# Altium PCB GEM_AFE_128.PcbDoc (part 15 of 18) (continued)
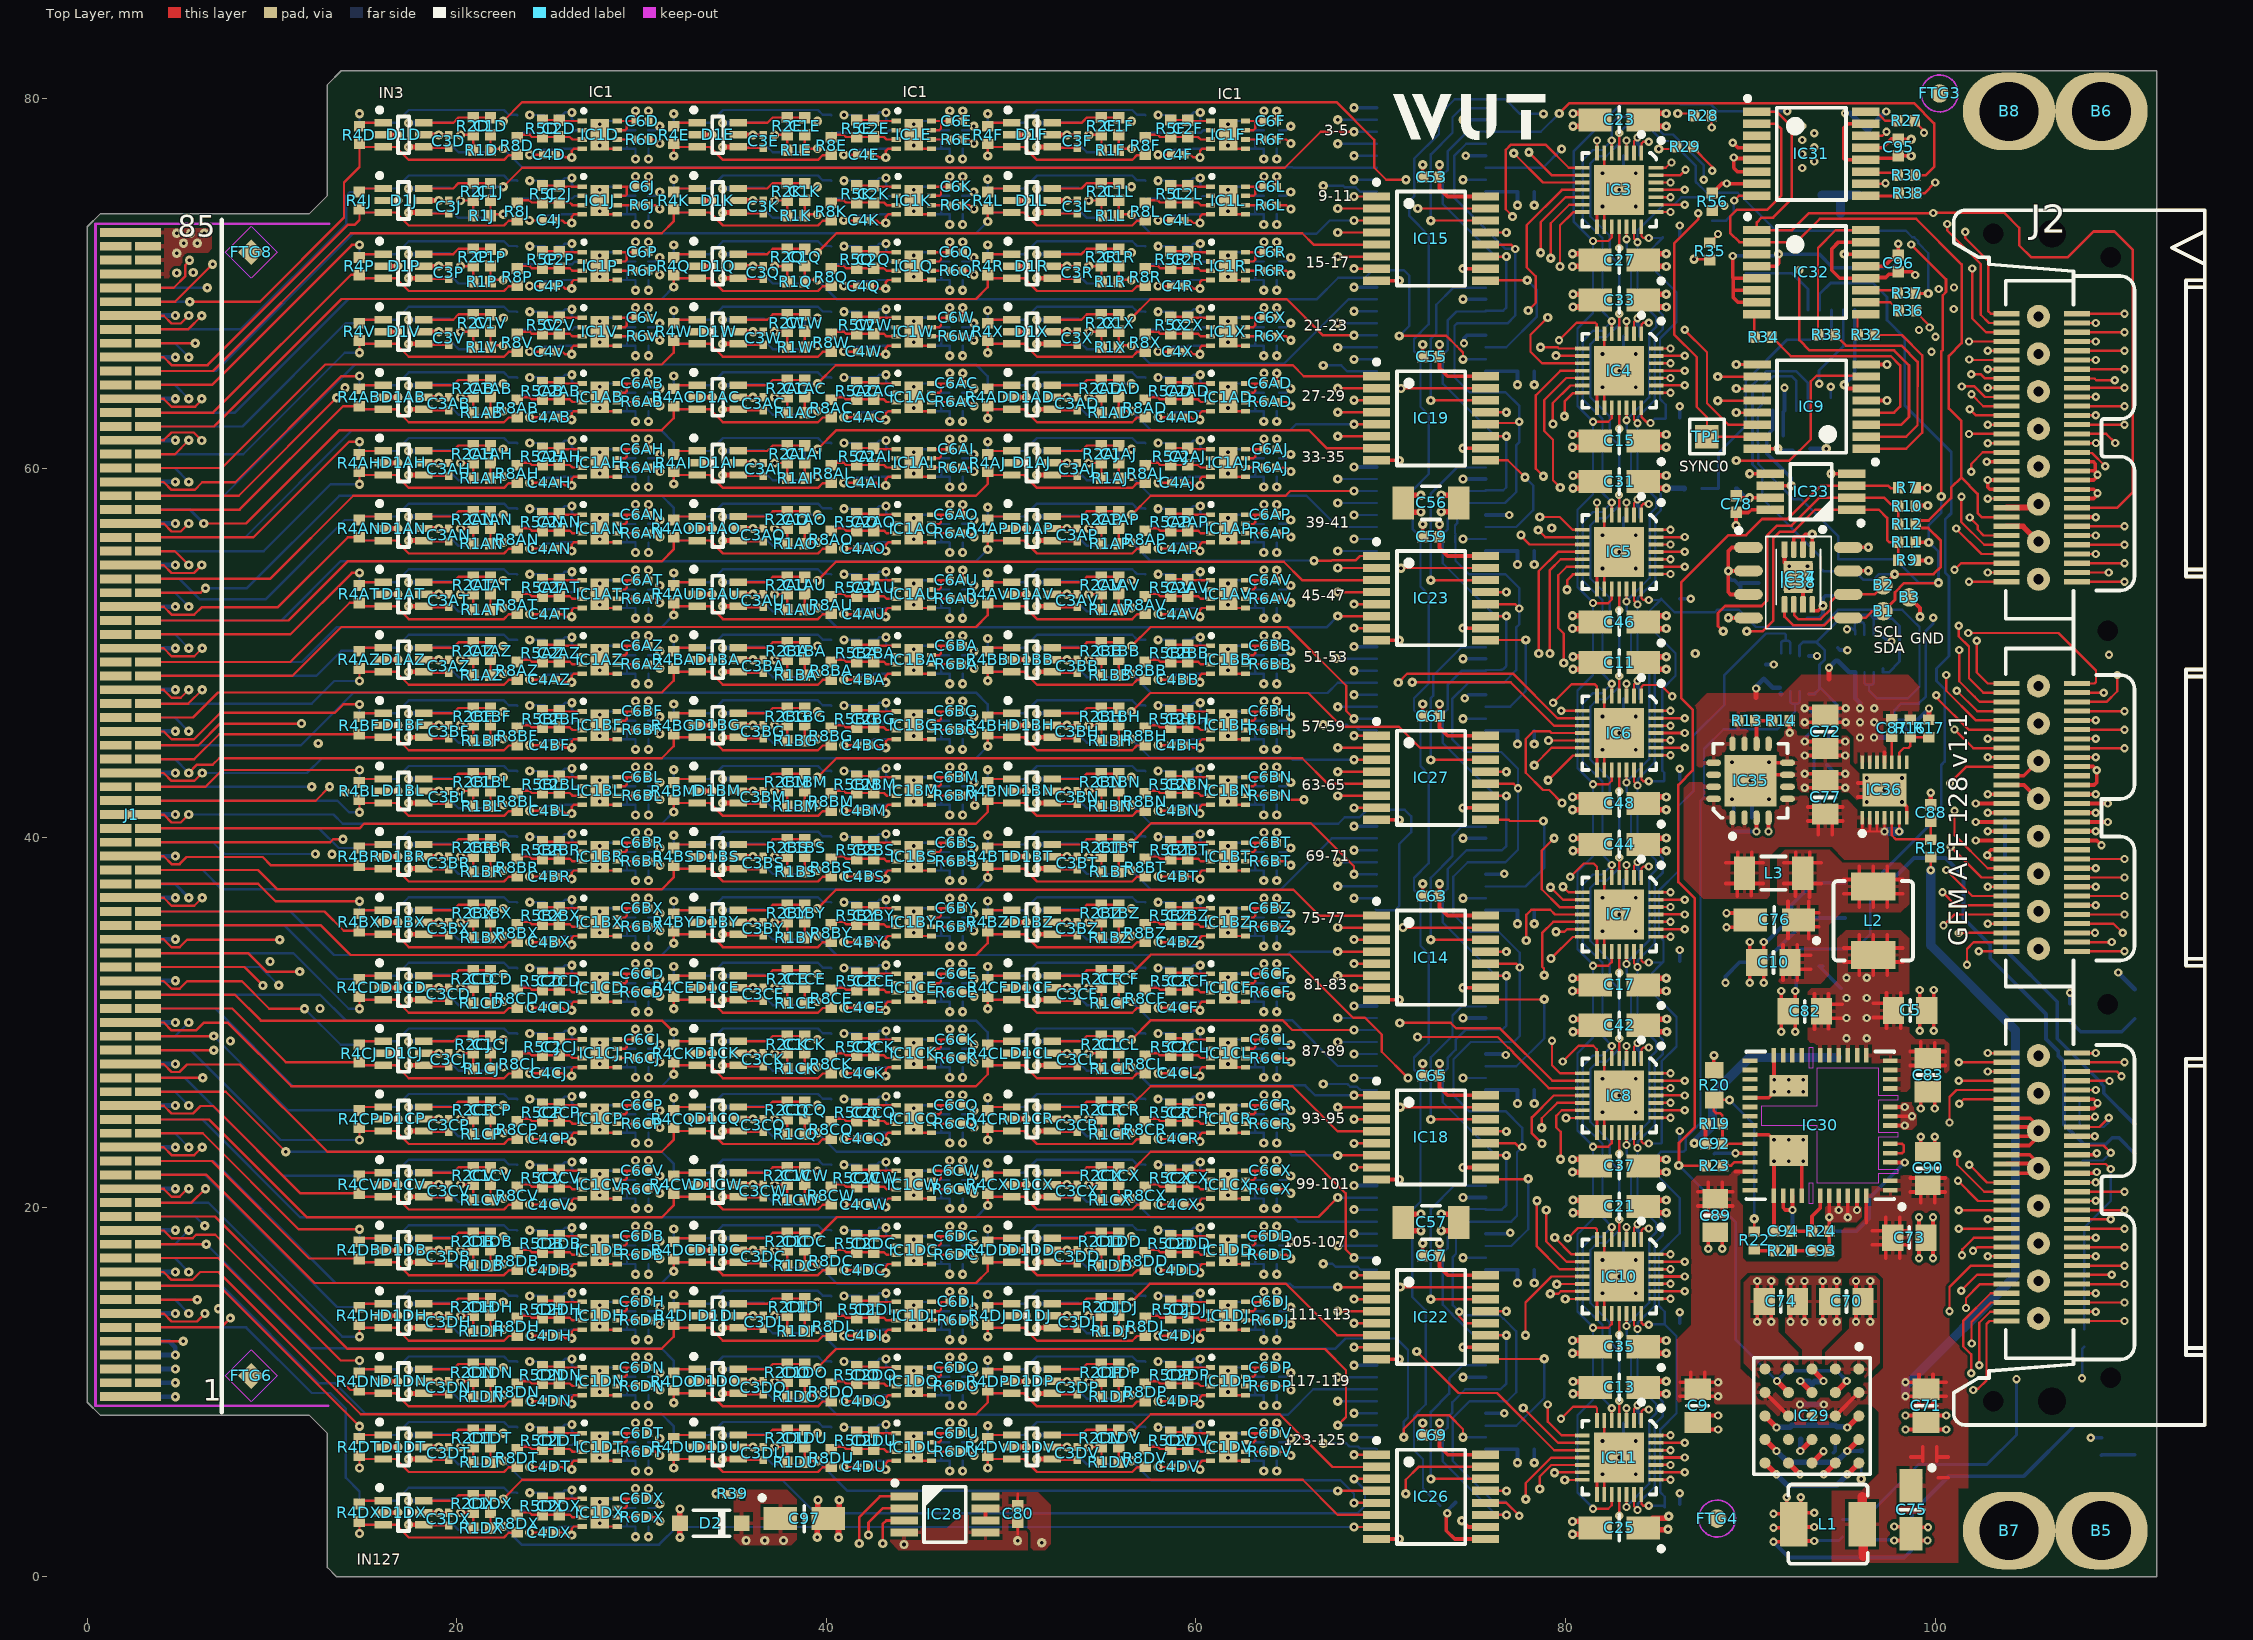
[diagram p0: Top Layer view]
## Nets (pads, with @x,y where several pads share a name; then routed paths per layer and width w, separated by ;. In a path a pad name is that pad's centre, name@x,y a point inside that pad or via, vN(x,y) a via of type N, cw(c..) or ccw(c..) an arc to the next point about the centre after c; other vN are vias at no path point) (continued)
  L2 w0.127: v2(100.017,67.099) 100.017,67.06 101.619,65.458 102.114,65.458 102.23,65.343 v2(102.838,65.343)
  Bottom Layer w0.127: R6M.2@30.356,71.176 30.732,71.176 30.944,71.389 v1(30.982,71.389)
OUTP13: J2.14 R6N.2 | length 72.4
  Top Layer w0.127: J2.14@107.671,65.347 v2(110.25,65.347)
  L4 w0.127: v1(47.982,71.389) 48.989,71.389 49.909,72.309 56.691,72.309 57.525,71.475 60.224,71.475 61.064,72.316 62.415,72.316 63.056,71.675 64.55,71.675 64.784,71.909 67.966,71.909 68.225,71.65 75.679,71.65 76.532,70.797 77.197,70.797 77.521,70.797 78.129,71.405 78.129,71.729 78.465,72.065 80.491,72.065 81.556,71 84.264,71 85.275,72.011 85.64,72.011 87.501,70.15 88.15,70.15 89,69.3 90.997,69.3 91.897,68.4 98.497,68.4 98.998,67.899 99.444,67.899 99.537,67.992 99.86,67.992 99.953,67.899 100.14,67.899 100.488,67.551 104.449,67.551 104.7,67.3 106.5,67.3 106.95,66.85 106.95,66.2 107.993,65.157 109.157,65.157 109.347,65.347 v2(110.25,65.347)
  Bottom Layer w0.127: R6N.2@47.356,71.176 47.732,71.176 47.944,71.389 v1(47.982,71.389)
OUTP14: J2.15 R6O.2 | length 42.7
  Top Layer w0.127: v2(101.953,65.068) 102.482,65.068 102.701,64.849 J2.15@103.863,64.849
  L4 w0.127: v1(65.132,71.389) 66.986,71.389 67.4,70.975 67.875,70.975 68.125,71.225 75.631,71.225 76.282,70.574 76.432,70.574 76.437,70.569 77.16,70.569 77.292,70.569 77.615,70.569 77.62,70.574 78.176,70.574 78.356,70.394 80.972,70.394 81.216,70.15 84.55,70.15 84.874,70.474 85.892,70.474 86.666,69.7 88.016,69.7 88.816,68.9 90.831,68.9 91.731,68 98.331,68 98.858,67.474 v2(99.121,67.474)
  L2 w0.127: v2(99.121,67.474) 99.121,67.429 99.867,66.683 99.962,66.683 100.044,66.6 100.05,66.6 101.45,65.2 101.734,65.2 101.865,65.068 v2(101.953,65.068)
  Bottom Layer w0.127: R6O.2@64.506,71.176 64.882,71.176 65.094,71.389 v1(65.132,71.389)
OUTP15: J2.16 R6P.2 | length 89.2
  Top Layer w0.127: R6P.2@30.361,70.674 30.736,70.674 30.949,70.461 v1(30.987,70.461) ; J2.16@107.671,64.847 108.625,64.847 108.72,64.752 109.713,64.752 v2(109.716,64.748)
  L4 w0.127: v1(30.987,70.461) 32.731,70.461 33.392,69.8 37.75,69.8 38.575,70.625 43.225,70.625 44.05,69.8 45.45,69.8 45.9,70.25 47.4,70.25 48.5,69.15 67.6,69.15 67.856,68.894 68.722,68.894 68.91,68.705 76.595,68.705 77.2,68.1 78.2,68.1 78.656,68.556 79.244,68.556 79.8,68 81.95,68 82.688,68.738 84.212,68.738 84.918,68.032 85.982,68.032 86.15,68.2 87.25,68.2 88.243,67.207 90.165,67.207 90.974,66.399 97.746,66.399 98.245,65.9 101.2,65.9 101.56,66.26 102.09,66.26 102.605,65.745 103.155,65.745 103.645,65.255 106.611,65.255 107.616,64.251 108.842,64.251 109.193,63.9 110.4,63.9 110.65,64.15 110.65,64.501 110.402,64.748 v2(109.716,64.748)
OUTP16: J2.17 R6Q.2 | length 61.4
  Top Layer w0.127: R6Q.2@47.361,70.674 47.736,70.674 47.949,70.461 v1(47.987,70.461) ; v2(102.84,64.345) 102.842,64.347 J2.17@103.861,64.347
  L4 w0.127: v1(47.987,70.461) 48.889,70.461 49.675,69.675 56.8,69.675 57.425,70.3 60.55,70.3 61.1,69.75 62.525,69.75 63.025,70.25 64.45,70.25 65.186,69.514 67.904,69.514 68.283,69.135 73.685,69.135 74.147,69.597 75.346,69.597 76.003,68.94 79.41,68.94 80.053,68.297 81.747,68.297 82.5,69.05 84.35,69.05 85.103,68.297 85.697,68.297 86.05,68.65 87.4,68.65 88.45,67.6 90.328,67.6 91.136,66.791 97.909,66.791 98.408,66.293 v2(99.8,66.293)
  L2 w0.127: v2(99.8,66.293) 101.193,64.9 101.5,64.9 101.85,64.55 102.604,64.55 102.809,64.345 v2(102.84,64.345)
OUTP17: J2.18 R6R.2 | length 53
  Top Layer w0.127: R6R.2@64.511,70.674 64.886,70.674 65.099,70.461 v1(65.137,70.461) ; J2.18@107.671,64.347 v2(110.25,64.347)
  L4 w0.127: v1(65.137,70.461) 65.586,70.013 67.729,70.013 68.378,69.363 68.722,69.363 68.989,69.63 71.672,69.63 72.046,70.004 75.596,70.004 76.3,69.3 79.715,69.3 80.231,69.816 80.634,69.816 81,69.45 84.9,69.45 85.266,69.816 85.623,69.816 86.389,69.05 87.65,69.05 88.6,68.1 90.5,68.1 91.4,67.2 98,67.2 98.5,66.7 101.1,66.7 101.65,67.25 103.1,67.25 103.3,67.05 106.05,67.05 106.6,66.5 106.6,65.9 107.75,64.75 108.95,64.75 109.353,64.347 v2(110.25,64.347)
OUTP18: J2.19 R6S.2 | length 79
  Top Layer w0.127: v2(101.434,64.415) 101.438,64.419 102.131,64.419 102.703,63.847 J2.19@103.861,63.847
  L4 w0.127: v1(30.982,67.839) 32.815,67.839 33.427,68.45 37.775,68.45 38.6,67.625 43.075,67.625 43.9,68.45 44.875,68.45 45.95,67.375 49.929,67.375 51.004,68.45 51.675,68.45 52.225,67.9 54.675,67.9 55.15,67.425 60.325,67.425 61.3,68.4 62.025,68.4 63.05,67.375 68.159,67.375 68.378,67.594 68.722,67.594 68.941,67.375 70.638,67.375 70.828,67.565 71.172,67.565 71.362,67.375 76.203,67.375 76.61,66.968 78.832,66.968 79.3,66.5 79.87,66.5 79.97,66.6 84.793,66.6 85.358,67.165 85.859,67.165 86.273,66.75 87.05,66.75 87.775,66.025 89.675,66.025 90.301,65.399 95.983,65.399 96.607,64.775 101.044,64.775 101.405,64.415 v2(101.434,64.415)
  Bottom Layer w0.127: R6S.2@30.356,67.626 30.732,67.626 30.944,67.839 v1(30.982,67.839)
OUTP19: J2.20 R6T.2 | length 66.7
  Top Layer w0.127: J2.20@107.671,63.847 108.69,63.847 v2(108.692,63.849)
  L4 w0.127: v1(47.982,67.839) 48.989,67.839 49.909,68.759 56.691,68.759 57.525,67.925 60.224,67.925 61.064,68.766 62.415,68.766 63.056,68.125 64.55,68.125 64.969,68.544 67.897,68.544 68.378,68.063 68.722,68.063 68.944,68.286 76.349,68.286 76.984,67.65 80,67.65 80.35,67.3 84.503,67.3 84.92,67.717 86.134,67.717 86.282,67.865 87.1,67.865 88.108,66.857 90.02,66.857 90.829,66.049 97.601,66.049 98.1,65.55 101.35,65.55 101.442,65.458 102.142,65.458 102.7,64.9 105.15,64.9 105.277,65.027 106.173,65.027 107.351,63.849 v2(108.692,63.849)
  Bottom Layer w0.127: R6T.2@47.356,67.626 47.732,67.626 47.944,67.839 v1(47.982,67.839)
OUTP20: J2.21 R6U.2 | length 42.6
  Top Layer w0.127: v2(101.962,63.99) 102.607,63.345 J2.21@103.859,63.345
  L4 w0.127: v1@64.982,67.839 v1(65.132,67.839) 67.098,67.839 67.503,68.244 67.874,68.244 68.283,67.835 68.817,67.835 68.82,67.839 76.186,67.839 76.722,67.303 79.847,67.303 80.2,66.95 84.668,66.95 85.163,67.445 85.921,67.445 86.282,67.085 86.635,67.085 86.75,67.2 87.236,67.2 88.018,66.418 89.838,66.418 90.498,65.759 96.415,65.759 97.008,65.166 101.234,65.166 101.968,64.432 101.968,63.997 v2(101.962,63.99)
  Bottom Layer w0.127: R6U.2@64.506,67.626 64.882,67.626 65.094,67.839 v1(65.132,67.839)
OUTP21: J2.22 R6V.2 | length 86.1
  Top Layer w0.127: R6V.2@30.361,67.124 30.736,67.124 30.949,66.911 v1(30.987,66.911) ; J2.22@107.671,63.347 v2(110.25,63.347)
  L4 w0.127: v1(30.987,66.911) 32.731,66.911 34.043,65.6 66.351,65.6 66.72,65.969 67.324,65.969 67.83,65.463 68.722,65.463 68.858,65.6 69.65,65.6 69.787,65.463 78.429,65.463 78.843,65.05 82.4,65.05 82.65,64.8 83.15,64.8 83.45,65.1 85.25,65.1 85.431,65.281 85.871,65.281 86.276,64.876 86.924,64.876 87.7,64.1 88.45,64.1 88.695,63.855 89.595,63.855 90.005,63.445 95.355,63.445 95.65,63.15 97.55,63.15 97.85,63.45 100.994,63.45 101.655,62.789 102.089,62.789 102.306,63.006 106.344,63.006 106.95,62.4 108.85,62.4 109.797,63.347 v2(110.25,63.347)
OUTP22: J2.23 R6W.2 | length 60.5
  Top Layer w0.127: R6W.2@47.361,67.124 47.736,67.124 47.949,66.911 v1(47.987,66.911) ; v2(101.872,63.179) 102.203,62.849 J2.23@103.863,62.849
  L4 w0.127: v1(47.987,66.911) 48.889,66.911 49.675,66.125 56.8,66.125 57.425,66.75 60.55,66.75 61.1,66.2 62.525,66.2 63.025,66.7 64.45,66.7 64.9,66.25 67.367,66.25 67.503,66.113 67.847,66.113 68.027,66.294 68.722,66.294 68.766,66.25 74.234,66.25 74.278,66.294 74.622,66.294 75.148,65.768 78.575,65.768 78.943,65.4 82.45,65.4 82.73,65.68 83.12,65.68 83.35,65.45 84.903,65.45 85.514,66.061 85.838,66.061 86.227,65.672 86.728,65.672 87.9,64.5 88.75,64.5 89,64.75 89.5,64.75 90.383,63.867 97.019,63.867 97.217,64.065 97.685,64.065 97.987,63.763 101.288,63.763 v2(101.872,63.179)
OUTP23: J2.24 R6X.2 | length 48.7
  Top Layer w0.127: R6X.2@64.511,67.124 64.886,67.124 65.099,66.911 v1(65.137,66.911) ; J2.24@107.671,62.847 108.69,62.847 v2(108.692,62.849)
  L4 w0.127: v1(65.137,66.911) 66.3,66.911 66.332,66.944 68.198,66.944 68.378,66.764 68.722,66.764 68.87,66.911 69.65,66.911 69.827,66.735 71.733,66.735 72.108,67.11 74.308,67.11 74.338,67.14 74.662,67.14 74.692,67.11 75.848,67.11 76.852,66.106 78.694,66.106 79.132,65.668 82.118,65.668 82.45,66 83.3,66 83.561,65.739 84.389,65.739 85.511,66.861 85.839,66.861 86.239,66.461 86.689,66.461 87.74,65.41 88.59,65.41 88.9,65.1 89.75,65.1 89.886,64.964 95.827,64.964 96.349,64.442 100.708,64.442 101.12,64.03 101.37,64.03 101.8,63.6 104.75,63.6 105.1,63.25 108.291,63.25 v2(108.692,62.849)
OUTP24: J2.25 R6Y.2 | length 78.8
  Top Layer w0.127: v2(102.84,62.345) 102.842,62.347 J2.25@103.861,62.347
  L4 w0.127: v1(30.982,64.289) 32.815,64.289 33.427,64.9 37.775,64.9 38.291,64.384 39.108,64.384 39.342,64.15 39.686,64.15 39.92,64.384 43.384,64.384 43.9,64.9 44.875,64.9 45.95,63.825 49.929,63.825 51.004,64.9 51.675,64.9 52.225,64.35 54.675,64.35 55.15,63.875 60.325,63.875 61.3,64.85 62.025,64.85 63.05,63.825 66.3,63.825 66.455,63.67 67.968,63.67 68.377,64.079 68.72,64.079 68.974,63.825 69.65,63.825 69.814,63.661 72.13,63.661 72.539,64.069 72.883,64.069 73.127,63.825 80.675,63.825 81.1,63.4 84.85,63.4 85.15,63.1 85.865,63.1 86.014,62.951 86.399,62.951 87.162,62.188 94.721,62.188 95.301,61.607 101.393,61.607 101.55,61.45 102,61.45 102.3,61.75 102.3,62.1 102.526,62.326 102.821,62.326 v2(102.84,62.345)
  Bottom Layer w0.127: R6Y.2@30.356,64.076 30.732,64.076 30.944,64.289 v1(30.982,64.289)
OUTP25: J2.26 R6Z.2 | length 70.1
  Top Layer w0.127: J2.26@107.671,62.347 v2(110.25,62.347)
  L4 w0.127: v1(47.982,64.289) 48.989,64.289 49.909,65.209 56.691,65.209 57.525,64.375 60.224,64.375 61.064,65.216 62.415,65.216 63.056,64.575 64.55,64.575 64.969,64.994 78.506,64.994 78.85,64.65 81.6,64.65 81.73,64.78 82.27,64.78 82.6,64.45 83.3,64.45 83.63,64.78 84.07,64.78 84.389,64.461 85.839,64.461 86.237,64.063 86.787,64.063 87.636,63.214 88.617,63.214 88.819,63.415 89.472,63.415 89.873,63.014 95.086,63.014 95.335,62.765 97.635,62.765 97.85,62.55 99.863,62.55 100.078,62.765 100.442,62.765 100.807,62.4 102.15,62.4 102.488,62.738 103.362,62.738 104.9,61.2 106,61.2 106.7,61.9 109.1,61.9 109.547,62.347 v2(110.25,62.347)
  Bottom Layer w0.127: R6Z.2@47.356,64.076 47.732,64.076 47.944,64.289 v1(47.982,64.289)
OUTP26: J2.27 R6AA.2 | length 41.5
  Top Layer w0.127: v2(101.833,61.845) 101.835,61.847 J2.27@103.861,61.847
  L4 w0.127: v1@64.982,64.289 v1(65.132,64.289) 67.111,64.289 67.502,63.899 67.873,63.899 68.282,64.307 68.815,64.307 68.834,64.289 70.519,64.289 70.919,63.889 72.036,63.889 72.444,64.298 72.978,64.298 72.987,64.289 77.028,64.289 77.228,64.088 78.472,64.088 78.633,64.25 81.1,64.25 81.55,63.8 85.05,63.8 85.2,63.65 85.933,63.65 86.083,63.8 86.45,63.8 87.698,62.552 94.872,62.552 95.552,61.872 101.122,61.872 101.148,61.845 v2(101.833,61.845)
  Bottom Layer w0.127: R6AA.2@64.506,64.076 64.882,64.076 65.094,64.289 v1(65.132,64.289)
OUTP27: J2.28 R6AB.2 | length 86.5
  Top Layer w0.127: R6AB.2@30.361,63.574 30.736,63.574 30.949,63.361 v1(30.987,63.361) ; J2.28@107.671,61.847 109.253,61.847 v2(109.75,61.35)
  L4 w0.127: v1(30.987,63.361) 32.731,63.361 33.383,62.71 37.735,62.71 38.231,63.206 39.048,63.206 39.342,63.5 39.686,63.5 39.98,63.206 43.569,63.206 44.025,62.75 45.375,62.75 46.075,62.05 66.3,62.05 66.379,62.129 68.196,62.129 68.377,61.949 68.72,61.949 68.822,62.05 76.548,62.05 76.627,62.129 76.971,62.129 77.25,61.85 79.8,61.85 80.174,62.224 80.626,62.224 81.5,61.35 84.405,61.35 85.287,62.232 85.668,62.232 86.802,61.098 90.576,61.098 91.039,60.635 99.715,60.635 99.82,60.53 102.419,60.53 102.626,60.737 103.437,60.737 104.97,59.204 106.005,59.204 106.74,59.938 108.002,59.938 109.414,61.35 v2(109.75,61.35)
OUTP28: J2.29 R6AC.2 | length 60.2
  Top Layer w0.127: R6AC.2@47.361,63.574 47.736,63.574 47.949,63.361 v1(47.987,63.361) ; v2(102.838,61.343) 102.84,61.345 J2.29@103.859,61.345
  L4 w0.127: v1(47.987,63.361) 48.889,63.361 49.675,62.575 56.8,62.575 57.425,63.2 60.55,63.2 61.1,62.65 62.525,62.65 63.025,63.15 64.45,63.15 64.9,62.7 66.3,62.7 66.401,62.599 68.196,62.599 68.377,62.779 68.72,62.779 68.963,62.536 76.984,62.536 77.338,62.89 79.19,62.89 79.513,63.213 80.218,63.213 81.704,61.728 84.278,61.728 84.594,62.044 84.758,62.044 84.987,62.272 84.987,62.437 85.037,62.487 85.782,62.487 85.979,62.291 86.134,62.291 86.95,61.475 94.425,61.475 94.954,60.946 99.844,60.946 99.949,60.841 102.336,60.841 v2(102.838,61.343)
OUTP29: J2.30 R6AD.2 | length 47.5
  Top Layer w0.127: R6AD.2@64.511,63.574 64.886,63.574 65.099,63.361 v1(65.137,63.361) ; J2.30@107.671,61.347 107.672,61.348 108.698,61.348 v2(108.7,61.35)
  L4 w0.127: v1@64.987,63.361 v1(65.137,63.361) 66.3,63.361 66.367,63.429 68.196,63.429 68.377,63.249 68.72,63.249 68.833,63.361 69.65,63.361 69.772,63.239 72.883,63.239 73.005,63.361 75.7,63.361 75.789,63.45 80.5,63.45 80.971,62.979 84.263,62.979 84.339,63.055 84.695,63.055 84.999,62.751 85.902,62.751 86.053,62.6 86.3,62.6 87.061,61.839 94.576,61.839 95.121,61.294 101.306,61.294 101.441,61.159 102.102,61.159 102.743,61.8 103.5,61.8 104.329,60.971 107.721,60.971 108.1,61.35 v2(108.7,61.35)
OUTP30: J2.31 R6AE.2 | length 78.5
  Top Layer w0.127: v2(101.95,59.8) 101.95,60.222 102.577,60.849 J2.31@103.863,60.849
  L4 w0.127: v1(30.982,60.739) 32.815,60.739 33.427,61.35 37.775,61.35 38.6,60.525 43.075,60.525 43.9,61.35 44.875,61.35 45.95,60.275 49.929,60.275 51.004,61.35 51.675,61.35 52.225,60.8 54.675,60.8 55.15,60.325 60.325,60.325 61.3,61.3 62.025,61.3 62.725,60.6 64.407,60.6 64.96,61.154 65.496,61.154 65.8,60.85 71.149,60.85 71.615,60.384 85.966,60.384 86.631,59.719 89.399,59.719 89.889,60.208 90.46,60.208 90.648,60.02 94.101,60.02 94.187,60.107 94.531,60.107 94.65,59.988 99.162,59.988 99.35,59.8 v2(101.95,59.8)
  Bottom Layer w0.127: R6AE.2@30.356,60.526 30.732,60.526 30.944,60.739 v1(30.982,60.739)
OUTP31: J2.32 R6AF.2 | length 67.1
  Top Layer w0.127: J2.32@107.671,60.847 107.704,60.814 108.486,60.814 v2(109.2,60.1)
  L4 w0.127: v1(47.982,60.739) 48.989,60.739 49.909,61.659 56.691,61.659 57.525,60.825 60.224,60.825 61.064,61.666 62.415,61.666 63.056,61.025 64.447,61.025 64.867,61.444 66.229,61.444 66.375,61.299 67.845,61.299 67.991,61.444 71.106,61.444 71.75,60.8 74.125,60.8 74.277,60.648 74.62,60.648 74.678,60.706 88.717,60.706 88.827,60.815 90.336,60.815 90.813,60.339 99.538,60.339 99.682,60.195 102.398,60.195 102.398,60.185 102.626,59.957 103.743,59.957 104.749,58.951 107.418,58.951 108.567,60.1 v2(109.2,60.1)
  Bottom Layer w0.127: R6AF.2@47.356,60.526 47.732,60.526 47.944,60.739 v1(47.982,60.739)
OUTP32: J2.48 R6AG.2 | length 50.9
  Top Layer w0.127: J2.48@107.671,56.847 v2(110.25,56.847)
  L4 w0.127: v1(65.132,60.739) 65.596,60.275 68.181,60.275 68.378,60.472 68.722,60.472 68.919,60.275 70.55,60.275 70.827,59.998 71.17,59.998 71.277,60.105 74.804,60.105 74.9,60.009 85.777,60.009 86.386,59.4 89.664,59.4 89.787,59.277 90.193,59.277 90.636,59.72 93.62,59.72 94.116,59.223 94.726,59.223 94.835,59.333 101.567,59.333 102.062,58.838 103.162,58.838 104.85,57.15 108.335,57.15 108.533,56.952 108.856,56.952 109.054,57.15 109.947,57.15 v2(110.25,56.847)
  Bottom Layer w0.127: R6AG.2@64.506,60.526 64.882,60.526 65.094,60.739 v1(65.132,60.739)
OUTP33: J2.49 R6AH.2 | length 77.6
  Top Layer w0.127: R6AH.2@30.361,60.024 30.736,60.024 30.949,59.811 v1(30.987,59.811) ; v2(101.864,57.325) 102.3,56.888 102.3,56.669 102.623,56.347 J2.49@103.861,56.347
  L4 w0.127: v1(30.987,59.811) 32.731,59.811 33.389,59.154 37.554,59.154 38.55,60.15 45.05,60.15 45.75,59.45 47.6,59.45 48.522,58.528 67.897,58.528 68.175,58.25 71.31,58.25 72.012,58.953 73.497,58.953 74.25,58.2 78.848,58.2 79.398,57.65 84.8,57.65 85.021,57.871 89.233,57.871 89.422,57.682 90.385,57.682 90.939,58.237 98.213,58.237 99.2,57.25 99.9,57.25 100.433,57.783 101.405,57.783 v2(101.864,57.325)
OUTP34: J2.50 R6AI.2 | length 66.7
  Top Layer w0.127: R6AI.2@47.361,60.024 47.736,60.024 47.949,59.811 v1(47.987,59.811) ; J2.50@107.671,56.347 108.69,56.347 v2(108.692,56.349)
  L4 w0.127: v1(47.987,59.811) 48.889,59.811 49.675,59.025 56.8,59.025 57.425,59.65 60.55,59.65 61.1,59.1 62.525,59.1 63.025,59.6 64.45,59.6 65.142,58.908 68.058,58.908 68.35,59.2 73.85,59.2 74.46,58.59 78.971,58.59 79.46,58.1 80.75,58.1 81.6,58.95 84.25,58.95 85.05,58.15 89.589,58.15 89.762,57.977 90.229,57.977 90.788,58.537 98.413,58.537 99.396,57.554 99.764,57.554 100.251,58.041 101.817,58.041 102.618,57.24 103.012,57.24 103.044,57.207 103.363,57.207 103.77,56.8 105,56.8 105.121,56.921 106.029,56.921 106.601,56.349 v2(108.692,56.349)
OUTP35: J2.51 R6AJ.2 | length 44
  Top Layer w0.127: R6AJ.2@64.511,60.024 64.886,60.024 65.099,59.811 v1(65.137,59.811) ; v2(101.422,58.445) 101.405,58.429 101.405,57.095 102.653,55.847 J2.51@103.861,55.847
  L4 w0.127: v1@64.987,59.811 v1(65.137,59.811) 66.3,59.811 66.311,59.822 68.198,59.822 68.378,59.642 68.722,59.642 68.85,59.77 74.226,59.77 74.278,59.822 74.628,59.822 75.4,59.05 79.002,59.05 79.562,58.49 80.573,58.49 81.382,59.3 84.4,59.3 85.234,58.466 85.699,58.466 86.189,58.957 90.469,58.957 90.859,59.347 91.924,59.347 92.034,59.457 92.378,59.457 93.447,59.457 93.988,58.916 98.884,58.916 99.3,58.5 99.783,58.5 100.154,58.871 100.995,58.871 v2(101.422,58.445)
OUTP36: J2.52 R6AK.2 | length 89.1
  Top Layer w0.127: J2.52@107.671,55.847 v2(110.25,55.847)
  L4 w0.127: v1(30.982,57.189) 32.815,57.189 33.427,57.8 37.775,57.8 38.6,56.975 43.075,56.975 43.9,57.8 44.875,57.8 45.95,56.725 49.929,56.725 51.004,57.8 51.675,57.8 52.225,57.25 54.675,57.25 55.15,56.775 60.325,56.775 61.3,57.75 62.025,57.75 63.05,56.725 67.915,56.725 68.055,56.585 71.315,56.585 71.74,56.16 73.504,56.16 74.044,56.7 76.659,56.7 77.431,55.928 79.509,55.928 80.358,56.777 85.237,56.777 85.514,57.054 87.777,57.054 88.679,56.151 89.665,56.151 90.149,56.635 90.937,56.635 91.524,57.222 97.828,57.222 98.661,56.389 99.911,56.389 100.347,55.953 103.497,55.953 104.55,54.9 108.858,54.9 109.805,55.847 v2(110.25,55.847)
  Bottom Layer w0.127: R6AK.2@30.356,56.976 30.732,56.976 30.944,57.189 v1(30.982,57.189)
OUTP37: J2.53 R6AL.2 | length 59.9
  Top Layer w0.127: v2(101.135,56.73) 101.135,56.715 102.505,55.345 J2.53@103.859,55.345
  L4 w0.127: v1(47.982,57.189) 48.989,57.189 49.909,58.109 56.691,58.109 57.525,57.275 60.224,57.275 61.064,58.116 62.415,58.116 63.056,57.475 64.55,57.475 64.736,57.661 67.961,57.661 68.2,57.9 71.57,57.9 71.716,58.046 73.449,58.046 73.595,57.9 78.7,57.9 79.244,57.356 84.965,57.356 85.196,57.588 88.955,57.588 89.194,57.348 90.535,57.348 91.092,57.905 98.095,57.905 99.1,56.9 100.5,56.9 100.67,56.73 v2(101.135,56.73)
  Bottom Layer w0.127: R6AL.2@47.356,56.976 47.732,56.976 47.944,57.189 v1(47.982,57.189)
OUTP38: J2.54 R6AM.2 | length 48.6
  Top Layer w0.127: J2.54@107.671,55.347 v2(108.692,55.349) v2(108.692,55.349)
  L4 w0.127: v1(65.132,57.189) 67.991,57.189 68.255,56.925 71.456,56.925 71.881,56.5 73.364,56.5 73.904,57.04 77.518,57.04 78.334,56.224 78.69,56.224 78.694,56.228 79.328,56.228 80.16,57.06 85.123,57.06 85.381,57.317 88.133,57.317 89.007,56.443 89.508,56.443 90.017,56.952 90.655,56.952 91.31,57.606 97.934,57.606 98.923,56.618 100.173,56.618 100.49,56.3 103.843,56.3 105.015,55.129 106.079,55.129 106.299,55.349 v2(108.692,55.349)
  Bottom Layer w0.127: R6AM.2@64.506,56.976 64.882,56.976 v1@65.094,57.189 ; v1@64.994,57.189 v1@65.032,57.189
OUTP39: J2.55 R6AN.2 | length 78.4
  Top Layer w0.127: R6AN.2@30.361,56.474 30.736,56.474 30.949,56.261 v1(30.987,56.261) ; v2(101.05,54.5) 101.399,54.849 J2.55@103.863,54.849
  L4 w0.127: v1(30.987,56.261) 32.731,56.261 33.369,55.623 37.723,55.623 38.575,56.475 43.3,56.475 44.125,55.65 45.475,55.65 45.925,56.1 47.425,56.1 48.575,54.95 65.75,54.95 66.2,54.5 67,54.5 67.502,55.001 76.585,55.001 77.199,54.387 77.254,54.387 77.288,54.354 78.527,54.354 78.997,54.824 79.994,54.824 80.464,55.294 82.406,55.294 82.7,55 83.15,55 83.444,55.294 84.806,55.294 85.441,54.659 85.842,54.659 86.257,55.074 87.907,55.074 88.094,55.261 90.396,55.261 90.678,55.543 93.598,55.543 94.204,56.149 97.188,56.149 99.037,54.3 100.3,54.3 100.5,54.5 v2(101.05,54.5)
OUTP40: J2.56 R6AO.2 | length 70.6
  Top Layer w0.127: R6AO.2@47.361,56.474 47.736,56.474 47.949,56.261 v1(47.987,56.261) ; J2.56@107.671,54.847 v2(110.25,54.847)
  L4 w0.127: v1(47.987,56.261) 48.889,56.261 49.675,55.475 56.8,55.475 57.425,56.1 60.55,56.1 61.1,55.55 62.525,55.55 63.025,56.05 64.45,56.05 64.672,55.828 67.409,55.828 67.503,55.922 67.847,55.922 68.401,55.369 76.881,55.369 77.012,55.238 79.888,55.238 80.287,55.637 82.387,55.637 82.65,55.9 83.15,55.9 83.42,55.63 85.17,55.63 85.346,55.454 85.854,55.454 86.259,55.859 87.813,55.859 88.107,55.565 90.143,55.565 90.508,55.93 93.445,55.93 94.015,56.5 97.339,56.5 99.262,54.577 99.977,54.577 100.4,55 101.5,55 103.45,53.05 107.45,53.05 109.247,54.847 v2(110.25,54.847)
OUTP41: J2.57 R6AP.2 | length 42.8
  Top Layer w0.127: R6AP.2@64.511,56.474 64.886,56.474 65.099,56.261 v1(65.137,56.261) ; v2(102.838,54.343) 102.84,54.345 J2.57@103.859,54.345
  L4 w0.127: v1@64.987,56.261 v1(65.137,56.261) 67.845,56.261 68.39,55.717 77.042,55.717 77.169,55.59 79.79,55.59 80.136,55.936 82.165,55.936 82.529,56.3 83.25,56.3 83.623,55.927 84.027,55.927 84.374,56.274 85.837,56.274 86.218,56.654 87.548,56.654 88.331,55.871 89.87,55.871 90.278,56.279 91.229,56.279 91.846,56.895 97.725,56.895 99.171,55.45 102.3,55.45 102.838,54.912 v2(102.838,54.343)
OUTP42: J2.58 R6AQ.2 | length 89.6
  Top Layer w0.127: J2.58@107.671,54.347 109.397,54.347 v2(109.4,54.35)
  L4 w0.127: v1(30.982,53.639) 32.815,53.639 33.427,54.25 37.775,54.25 38.6,53.425 43.075,53.425 43.9,54.25 44.875,54.25 45.95,53.175 49.929,53.175 51.004,54.25 51.675,54.25 52.225,53.7 54.675,53.7 55.15,53.225 60.325,53.225 61.3,54.2 62.025,54.2 63.05,53.175 67.185,53.175 67.492,52.868 67.842,52.868 68.26,53.286 72.657,53.286 73.12,53.749 76.579,53.749 76.627,53.701 76.97,53.701 77.15,53.521 77.522,53.521 77.743,53.3 79,53.3 79.533,53.833 84.54,53.833 85.047,53.326 88.339,53.326 88.622,53.61 91.594,53.61 91.904,53.92 96.994,53.92 98.308,52.606 102.807,52.606 102.963,52.45 109.55,52.45 110.7,53.6 110.7,54.05 110.4,54.35 v2(109.4,54.35)
  Bottom Layer w0.127: R6AQ.2@30.356,53.426 30.732,53.426 30.944,53.639 v1(30.982,53.639)
OUTP43: J2.59 R6AR.2 | length 61.2
  Top Layer w0.127: v2@101.837,53.849 J2.59@103.863,53.849
  L4 w0.127: v1(47.982,53.639) 48.989,53.639 49.909,54.559 56.691,54.559 57.525,53.725 60.224,53.725 61.064,54.566 62.415,54.566 63.056,53.925 64.55,53.925 64.775,54.15 71.251,54.15 71.765,54.664 76.505,54.664 77.01,54.159 77.16,54.159 77.302,54.017 78.617,54.017 79.099,54.499 80.145,54.499 80.627,54.981 82.169,54.981 82.5,54.65 83.275,54.65 83.609,54.984 84.316,54.984 85.45,53.85 86.4,53.85 87.2,54.65 88.028,54.65 88.288,54.91 90.601,54.91 90.912,55.22 97.679,55.22 99.099,53.8 99.45,53.8 99.95,53.3 100.4,53.3 100.947,53.847 v2(101.835,53.847)
  Bottom Layer w0.127: R6AR.2@47.356,53.426 47.732,53.426 47.944,53.639 v1(47.982,53.639)
OUTP44: J2.60 R6AS.2 | length 51.4
  Top Layer w0.127: J2.60@107.671,53.847 v2(110.25,53.847)
  L4 w0.127: v1(65.132,53.639) 67.321,53.639 67.407,53.725 68.1,53.725 68.306,53.519 68.794,53.519 69,53.725 71.426,53.725 72.051,54.35 76.395,54.35 76.814,53.93 77.065,53.93 77.245,53.75 78.9,53.75 79.261,54.111 84.74,54.111 85.251,53.599 87.93,53.599 88.284,53.953 91.425,53.953 91.741,54.269 93.233,54.269 93.838,54.874 96.58,54.874 98.505,52.95 103.025,52.95 103.263,52.711 108.061,52.711 109.197,53.847 v2(110.25,53.847)
  Bottom Layer w0.127: R6AS.2@64.506,53.426 64.882,53.426 65.094,53.639 v1(65.132,53.639)
OUTP45: J2.61 R6AT.2 | length 81
  Top Layer w0.127: R6AT.2@30.361,52.924 30.736,52.924 30.949,52.711 v1(30.987,52.711) ; v2(102.25,50.65) 102.25,48.936 102.842,48.344 J2.61@103.861,48.344
  L4 w0.127: v1(30.987,52.711) 32.731,52.711 33.376,52.066 37.791,52.066 38.6,52.875 43.2,52.875 43.975,52.1 45.3,52.1 45.75,52.55 47.425,52.55 48.575,51.4 67.674,51.4 68.267,51.992 73.191,51.992 73.798,52.6 75.044,52.6 76.116,51.528 77.028,51.528 77.506,52.006 79.256,52.006 79.667,52.417 80.633,52.417 81.5,51.55 84.4,51.55 85.267,52.417 85.683,52.417 86.25,51.85 87.257,51.85 88.413,50.694 89.962,50.694 91.342,52.074 97.376,52.074 98.663,50.787 100.733,50.787 100.87,50.65 v2(102.25,50.65)
OUTP46: J2.62 R6AU.2 | length 68.1
  Top Layer w0.127: R6AU.2@47.361,52.924 47.736,52.924 47.949,52.711 v1(47.987,52.711) ; v2(101.787,51.073) 106.677,51.073 108.7,49.05 108.7,48.418 108.626,48.344 J2.62@107.671,48.344
  L4 w0.127: v1(47.987,52.711) 48.889,52.711 49.675,51.925 56.8,51.925 57.425,52.55 60.55,52.55 61.1,52 62.525,52 63.025,52.5 64.45,52.5 64.9,52.05 67.131,52.05 67.482,52.401 67.845,52.401 68.026,52.221 68.796,52.221 69.025,52.45 73.001,52.45 73.513,52.962 75.329,52.962 75.655,52.636 77.179,52.636 77.334,52.792 78.16,52.792 78.55,52.401 79.101,52.401 79.4,52.7 80.9,52.7 81.679,51.921 84.171,51.921 84.957,52.707 85.993,52.707 86.5,52.2 88.295,52.2 88.518,52.423 93.217,52.423 93.754,52.96 97.04,52.96 98.896,51.104 101.085,51.104 101.117,51.072 101.44,51.072 101.447,51.079 101.781,51.079 v2(101.787,51.073)
OUTP47: J2.63 R6AV.2 | length 44.9
  Top Layer w0.127: R6AV.2@64.511,52.924 64.886,52.924 65.099,52.711 v1(65.137,52.711) ; v2(101.278,51.462) 101.278,50.891 101.834,50.335 101.834,48.62 102.611,47.844 J2.63@103.861,47.844
  L4 w0.127: v1(65.137,52.711) 66.414,52.711 66.49,52.635 67.95,52.635 68.371,53.055 68.82,53.055 69,52.875 72.825,52.875 73.348,53.398 75.494,53.398 76.027,52.865 77.084,52.865 77.239,53.02 78.38,53.02 78.55,52.85 79.1,52.85 79.25,53 80.3,53 80.7,53.4 84.52,53.4 84.919,53.002 86.153,53.002 86.614,52.541 88.102,52.541 88.277,52.716 92.933,52.716 93.564,53.347 97.203,53.347 98.76,51.79 98.76,51.782 99.153,51.389 100.289,51.389 100.362,51.462 v2(101.278,51.462)
OUTP48: J2.64 R6AW.2 | length 86.6
  Top Layer w0.127: J2.64@107.671,47.844 v2(109.118,47.844)
  L4 w0.127: v1(30.982,50.089) 32.815,50.089 33.427,50.7 37.775,50.7 38.6,49.875 43.075,49.875 43.9,50.7 44.875,50.7 45.95,49.625 49.929,49.625 51.004,50.7 51.675,50.7 52.225,50.15 54.675,50.15 55.15,49.675 60.325,49.675 61.3,50.65 62.025,50.65 63.05,49.625 66.925,49.625 67.466,50.166 67.905,50.166 68.204,49.867 71.367,49.867 72,50.5 77.4,50.5 77.615,50.285 78.129,50.285 78.344,50.5 79.45,50.5 79.7,50.25 86.637,50.25 86.803,50.416 87.224,50.416 87.97,49.671 90.43,49.671 91.298,50.539 94.175,50.539 95.194,49.52 98.173,49.52 98.412,49.281 102.442,49.281 102.961,49.8 106.55,49.8 108.506,47.844 v2(109.118,47.844)
  Bottom Layer w0.127: R6AW.2@30.356,49.876 30.732,49.876 30.944,50.089 v1(30.982,50.089)
OUTP49: J2.65 R6AX.2 | length 63.6
  Top Layer w0.127: v2(101.3,50.15) 101.3,48.457 102.141,47.615 102.413,47.344 J2.65@103.861,47.344
  L4 w0.127: v1(47.982,50.089) 48.989,50.089 49.909,51.009 56.691,51.009 57.525,50.175 60.224,50.175 61.064,51.016 62.415,51.016 63.056,50.375 64.55,50.375 64.988,50.813 67.431,50.813 68.369,51.751 68.774,51.751 68.953,51.572 73.365,51.572 73.979,52.187 74.863,52.187 75.845,51.205 77.162,51.205 77.64,51.683 79.24,51.683 80.029,50.894 86.296,50.894 86.48,51.079 87.597,51.079 88.353,50.322 90.118,50.322 91.557,51.761 97.189,51.761 97.72,51.23 97.737,51.23 97.966,51.002 97.966,50.984 98.504,50.446 100.504,50.446 100.8,50.15 v2(101.3,50.15)
  Bottom Layer w0.127: R6AX.2@47.356,49.876 47.732,49.876 47.944,50.089 v1(47.982,50.089)
OUTP50: J2.66 R6AY.2 | length 52.9
  Top Layer w0.127: J2.66@107.671,47.344 109.276,47.344 109.85,47.918 v2(109.85,48.8)
  L4 w0.127: v1(65.132,50.089) 66.936,50.089 67.346,50.499 67.997,50.499 68.323,50.825 70.142,50.825 70.714,50.253 71.203,50.253 71.9,50.95 73.35,50.95 74.151,51.751 74.749,51.751 75.629,50.871 77.301,50.871 77.779,51.349 79.101,51.349 79.89,50.56 86.47,50.56 86.639,50.728 87.361,50.728 88.085,50.004 90.337,50.004 91.222,50.889 95.052,50.889 95.063,50.878 95.373,50.878 96.25,50 99.15,50 99.292,50.142 100.358,50.142 100.74,49.76 102.31,49.76 102.85,50.3 107.2,50.3 108.7,48.8 v2(109.85,48.8)
  Bottom Layer w0.127: R6AY.2@64.506,49.876 64.882,49.876 65.094,50.089 v1(65.132,50.089)